# Altium PCB spd150.PcbDoc (part 12 of 15) (continued)
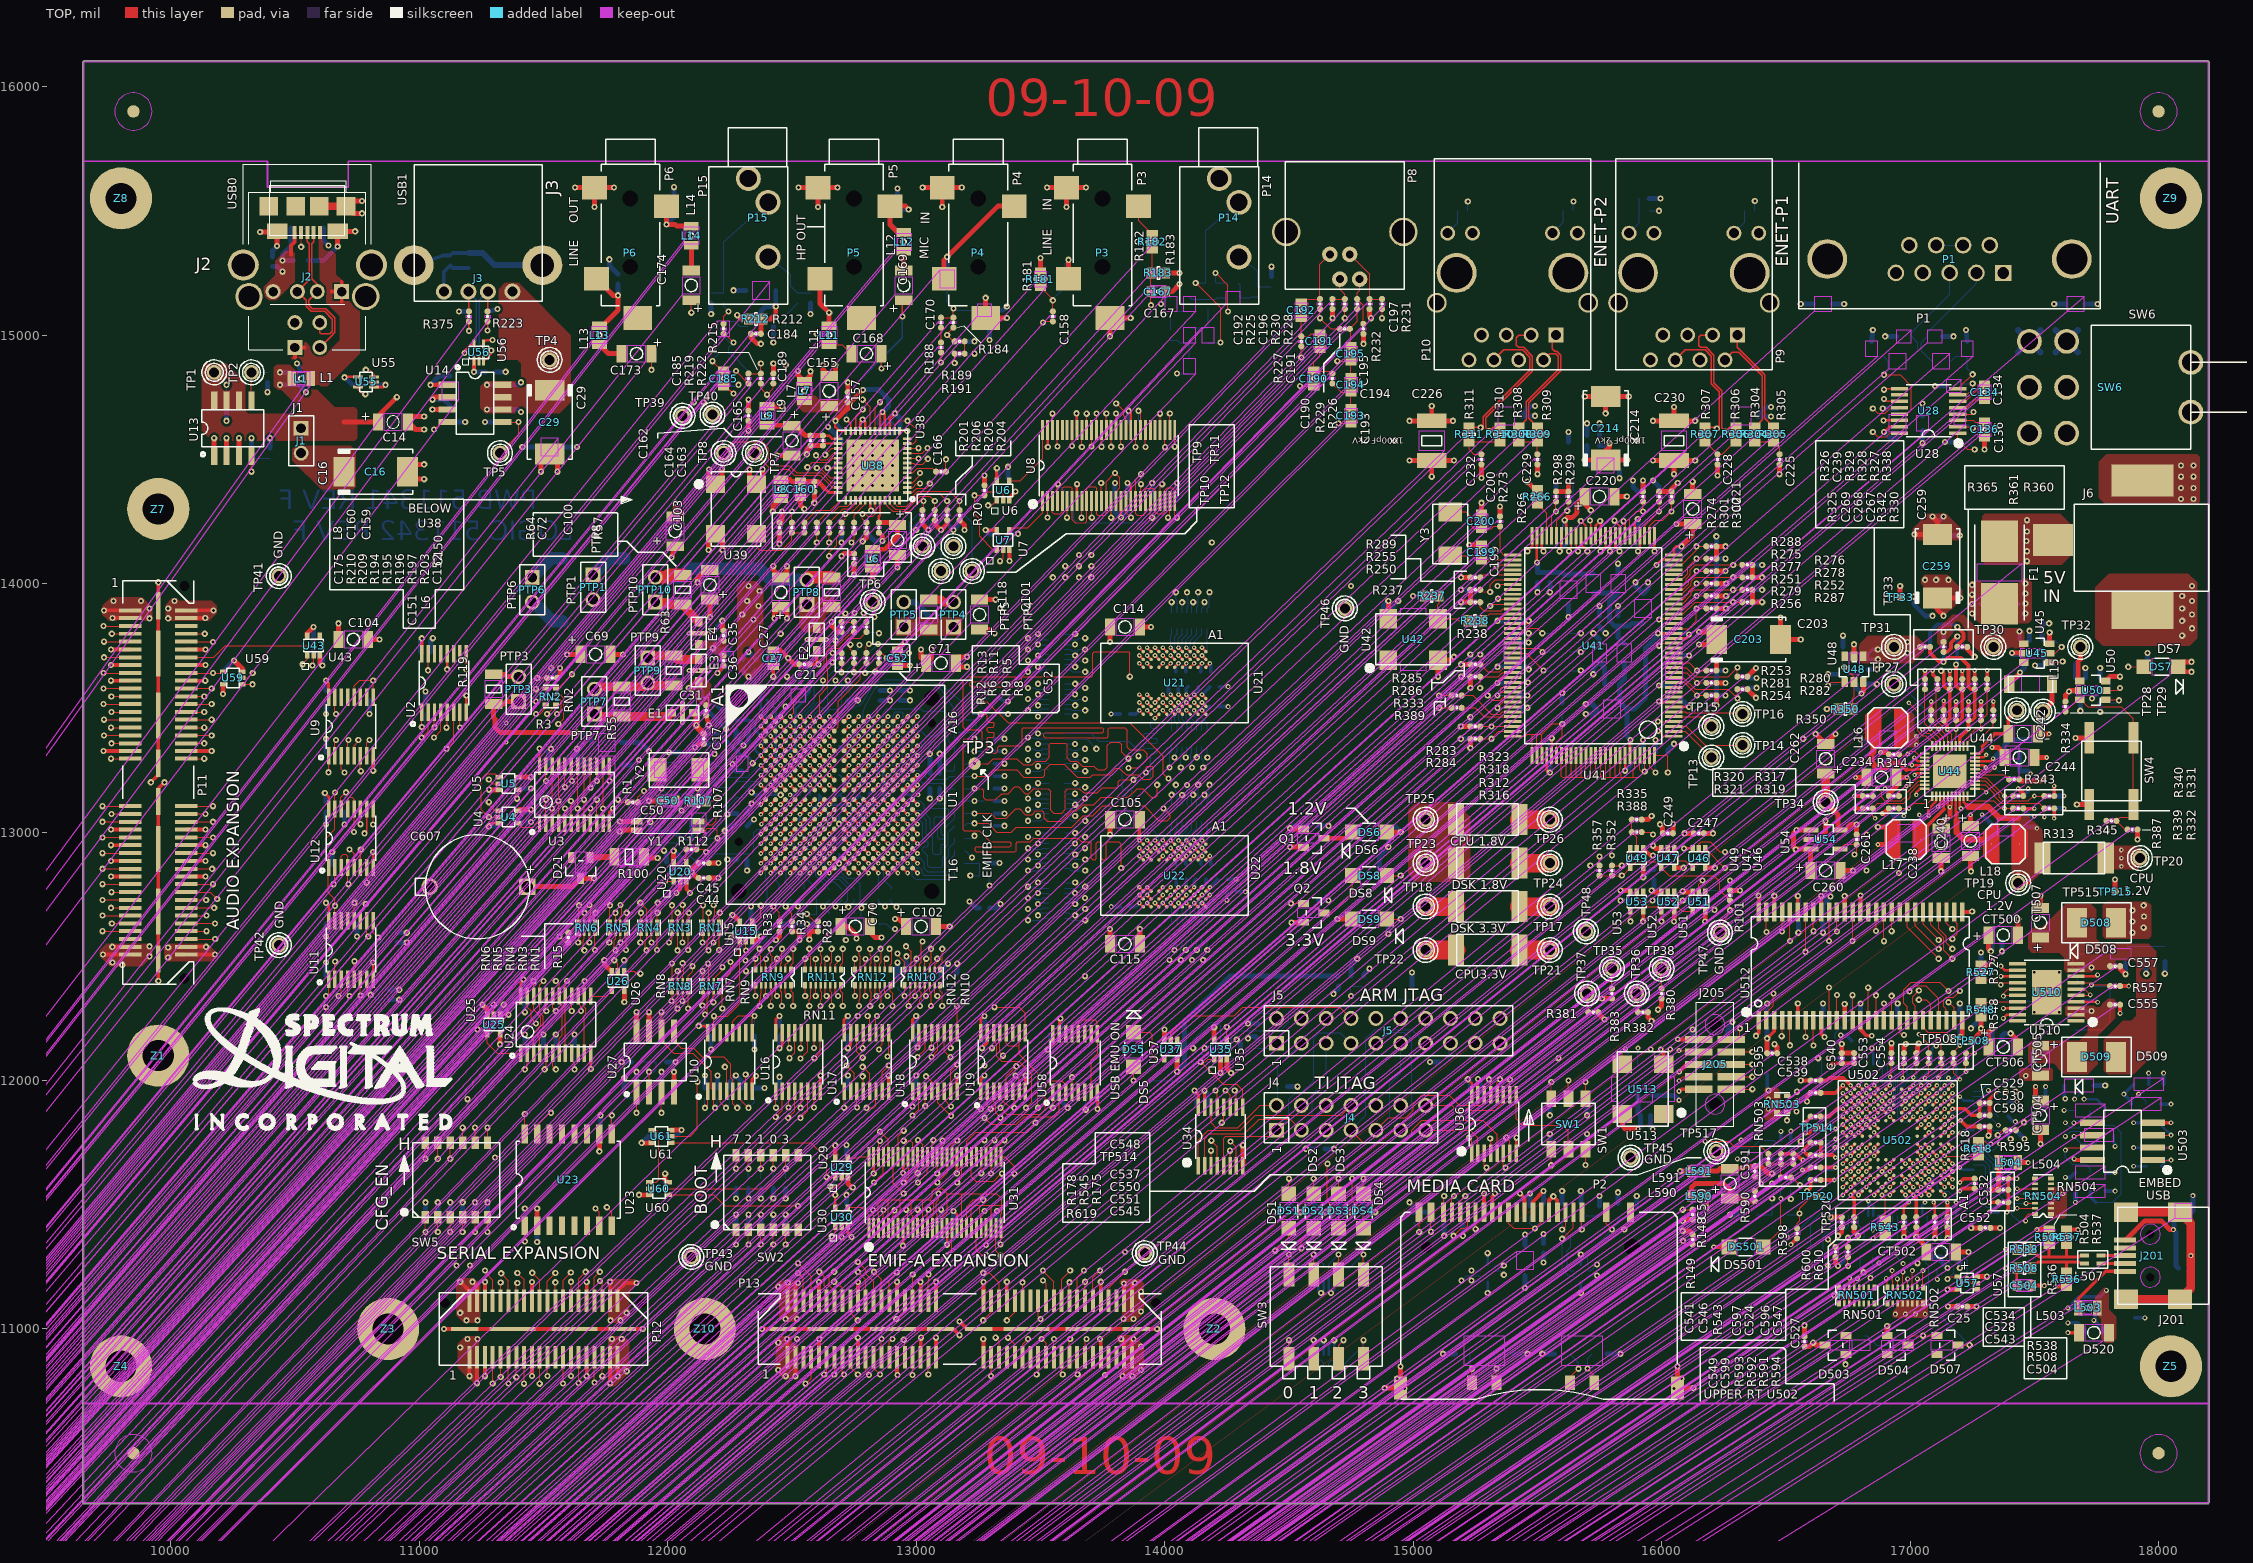
[diagram p0: TOP view]
## Nets (pads, with @x,y where several pads share a name; then routed paths per layer and width w, separated by ;. In a path a pad name is that pad's centre, name@x,y a point inside that pad or via, vN(x,y) a via of type N, cw(c..) or ccw(c..) an arc to the next point about the centre after c; other vN are vias at no path point) (continued)
T_AXR1[10]: P11.69 RN4.7 | length 2678.8
  TOP w5: v1(9725,12664) P11.69@9837,12664 ; v1(11934.8,12555.2) RN4.7@11934.8,12594.5
  LYR7-SIG w5: v1(9725,12664) 9775,12664 9885,12554 9885,12425 9950,12360 10525,12360 10610,12445 11670,12445 11685,12430 11842,12430 11897,12485 11903.8,12485 11934.6,12515.8 11934.6,12555 v1(11934.8,12555.2)
T_AXR1[11]: P11.71 RN4.8 | length 2621.1
  TOP w5: v1(9763,12632) P11.71@9837,12632 ; v1(11957.4,12525) RN4.8@11957.4,12594.5
  LYR7-SIG w5: v1(9763,12632) 9870,12525 9870,12420 9945,12345 10545,12345 10635,12435 11665,12435 11685,12415 11842,12415 11897,12470 11922.4,12470 11957.4,12505 v1(11957.4,12525)
T_EMU0: R609.2 U36.3 | length 1689.8
  TOP w5: U36.3@15286.6,11707.4 15286.6,11657.4 v1(15295,11649)
  LYR3-SIG w5: v1(15295,11649) 15346,11700 15620,11700 15692.5,11627.5 16007.5,11627.5 16380,11255 v1(16670,11255)
  BOTTOM w5: v1(16670,11255) 16670,11260 R609.2@16700,11290
T_EMU1: R610.2 U36.10 | length 1840.6
  TOP w5: U36.10@15389,11942.6 v1(15389,12004) ; v1(16750,11253) R610.2@16750,11290
  LYR3-SIG w5: v1(15389,12004) 15410,12025 15630,12025 15720,11935 15720,11845 15825,11740 16075,11740 16535,11280 16723,11280 v1(16750,11253)
T_SPI1_ENAN: RN8.6 U12.9 | length 1777.8
  TOP w5: v1(10814.6,13030.4) U12.9@10814.6,13092.6 ; v1(12039.6,12289.1) 12035,12293.7 12035,12330 12040.2,12335.2 RN8.6@12040.2,12359.5
  LYR8-SIG w5: v1(10814.6,13030.4) 10845,13000 10845,12850 11245,12450 11915,12450 12039.6,12325.4 v1(12039.6,12289.1)
T_SPI1_SCSN: R39.1 U12.7 | length 2437.3
  TOP w5: v1(10789,12796) U12.7@10789,12857.4
  LYR8-SIG w5: v1(10789,12796) 10815,12770 10815,12566.7 10951.7,12430 11680,12430 11855,12255 12075.7,12255 12102.4,12281.7 12102.4,12310.8 12166.6,12375 12210,12375 12283,12448 12283,12533.5 12369.5,12620 12453.4,12620 12520,12686.6 12520,12695 v1(12525,12700)
  BOTTOM w5: v1(12525,12700) 12550,12725 R39.1@12550,12730
T_TCK: R604.2 U34.10 | length 3261.8
  TOP w5: v1(14282,11960) 14289,11953 U34.10@14289,11892.6
  LYR3-SIG w5: v1(14282,11960) 14282,11912.2 14434.2,11760 15130,11760 15265,11625 15570,11625 15607.5,11587.5 15887.5,11587.5 16055,11420 16055,11353 16185,11223 16768,11223 16793,11248 16897,11248 16930,11281 17014,11281 v1(17030,11265)
  BOTTOM w5: R604.2@17000,11290 17025,11265 v1(17030,11265)
T_TCK_RET: R525.1 R599.1 TP517.1 U36.13 U511.88 | length 1863
  TOP w5: v1(15305,12005) 15312.2,11997.8 U36.13@15312.2,11942.6
  LYR3-SIG w4: 16645,11760.3 16695.3,11760.3 v2(16700,11765)
  LYR3-SIG w5: v1(15305,12005) 15345,12045 15675,12045 15745.2,11974.8 15745.2,11857.9 15833.1,11770 16100,11770 16155,11715 TP517.1@16220,11715 ; v1(16560,11755) 16565.3,11760.3 16645,11760.3
  BOTTOM w5: TP517.1@16220,11715 16235,11730 16365,11730 R599.1@16395,11760 16451.7,11760 16471.7,11740 16505,11740 16530,11715 R525.1@16530,11685 16550,11705 16550,11745 v1(16560,11755) ; U511.88@16645,11760 16695,11760 v2(16700,11765)
T_TDI: R607.2 U34.3 | length 3159.2
  TOP w5: U34.3@14186.6,11657.4 v1(14186.6,11717.4)
  LYR3-SIG w5: v1(14186.6,11717.4) 14214,11690 15020,11690 15115,11595 15310,11595 15450,11455 15850,11455 16150,11155 16820,11155 16928,11263 v3(16972,11263)
  BOTTOM w5: R607.2@16950,11290 16950,11285 v3(16972,11263)
T_TDO: R608.2 U36.6 | length 1811.6
  TOP w5: U36.6@15363.4,11707.4 15363.4,11657.6 v1(15372,11649)
  LYR3-SIG w5: v1(15372,11649) 15403,11680 15610,11680 15685,11605 15998,11605 16370,11233 16762.4,11233 16795.4,11266 v3(16875,11266)
  BOTTOM w5: v3(16875,11266) 16899,11290 R608.2@16900,11290
T_TMS: R606.2 U34.6 | length 2971.7
  TOP w5: U34.6@14263.4,11657.4 v1(14263.4,11717.4)
  LYR3-SIG w5: v1(14263.4,11717.4) 14275.8,11705 15045,11705 15145,11605 15335,11605 15460,11480 15865,11480 16180,11165 16801,11165 v1(16841,11205)
  BOTTOM w5: v1(16841,11205) 16850,11214 R606.2@16850,11290
T_TRSTN: R605.2 U34.13 | length 3106.7
  TOP w5: v1(14205,11960) 14212.2,11952.8 U34.13@14212.2,11892.6
  LYR3-SIG w5: v1(14205,11960) 14415,11750 15045,11750 15180,11615 15435,11615 15545,11505 15875,11505 16205,11175 16785,11175 16812,11202 v1(16812,11228)
  BOTTOM w5: R605.2@16800,11290 16800,11240 v1(16812,11228)
TCK5509: J205.9 RN503.7 U502.J13 | length 607.8
  TOP w5: J205.9@16280,11965 v1(16365,11965) ; RN503.7@16505.5,11914.8 16544.8,11914.8 v1(16545,11915)
  TOP w10: v2(16760.9,11823) U502.J13@16776.7,11807.3
  LYR3-SIG w4: 16645,11839 16736,11839 16752,11823 v2(16760.9,11823)
  LYR3-SIG w5: v1(16545,11915) 16621,11839 16645,11839
  LYR7-SIG w5: v1(16365,11965) 16422.5,11907.5 16537.5,11907.5 v1(16545,11915)
TDI5509: J205.5 U502.K14 | length 558.9
  TOP w5: J205.5@16280,12065 v1(16365,12065)
  TOP w10: v2(16729.4,11854.5) U502.K14@16745.2,11838.8
  LYR7-SIG w4: 16645,11910 16700.5,11854.5 v2(16729.4,11854.5)
  LYR7-SIG w5: v1(16365,12065) 16395,12065 16485,11975 16580,11975 16645,11910
TDO5509: J205.7 U502.K13 | length 586.5
  TOP w5: J205.7@16280,12015 v1(16365,12015)
  TOP w10: v2(16760.9,11854.5) U502.K13@16776.7,11838.8
  LYR7-SIG w4: 16645,11880 16686,11839 16745.4,11839 v2(16760.9,11854.5)
  LYR7-SIG w5: v1(16365,12015) 16399.8,12015 16434.8,11980 16438.3,11980 16450,11968.3 16450,11964.8 16479.8,11935 16593.3,11935 16645,11883.3 16645,11880
TMS5509: J205.3 U502.J14 | length 720.4
  TOP w5: J205.3@16280,12115 v1(16365,12115)
  TOP w10: v2(16729.4,11823) U502.J14@16745.2,11807.3
  LYR7-SIG w4: 16645,11823 v2(16729.4,11823)
  LYR7-SIG w5: v1(16365,12115) 16345,12095 16345,11945.2 16422.7,11867.5 16522.2,11867.5 16539.7,11850 16580.3,11850 16607.3,11823 16645,11823
TRST5509: J205.1 R552.2 U502.J12 | length 800
  TOP w5: J205.1@16280,12165 16305,12165 16315,12175 v1(16315,12210)
  TOP w10: v2(16792.4,11823) U502.J12@16808.2,11807.3
  LYR7-SIG w4: 16645,11955 16645,11948.4 16722.9,11870.5 16766.9,11870.5 16776.4,11861 16776.4,11843.6 16792.4,11827.6 v2(16792.4,11823)
  LYR7-SIG w5: v1(16315,12210) 16490,12035 16565,12035 16645,11955
  BOTTOM w5: R552.2@16305,12165 16305,12200 v1(16315,12210)
TXM1: P9.2 R304.1 U41.49 | length 1480.5
  TOP w5.2: v1(15755,14130) 15774.3,14149.3 U41.49@15774.3,14192 ; P9.2@16255,14900 16285,14930 16309.8,14930 16404.2,14835.6 16404.2,14659.2 R304.1@16375,14630 16384,14630 v1(16414,14600)
  LYR4-SIG w5.2: v1(15755,14130) 15768.5,14143.5 15768.5,14172.7 15786.3,14190.5 16079.9,14190.5 16445,14555.6 16445,14569 v1(16414,14600)
TXM2: P10.2 R308.1 U41.55 | length 1240.3
  TOP w5.2: v1(15463,14602) 15435,14630 R308.1@15425,14630 15455,14660 15455,14731.6 15584,14860.6 15584,14915 15574,14925 15550,14925 P10.2@15525,14900 ; U41.55@15656,14192 15656,14138 v1(15664,14130)
  LYR4-SIG w5.2: v1(15463,14602) 15487,14602 15494,14595 15494,14481.8 15535.2,14440.6 15535.2,14220 15550.9,14204.3 15550.9,14100.2 15568.3,14082.8 15632,14082.8 15650,14100.8 15650,14116 v1(15664,14130)
TXP1: P9.1 R305.1 U41.48 | length 1480.5
  TOP w5.2: v1(15792,14130) 15794,14132 U41.48@15794,14192 ; P9.1@16305,15000 16305,14950.6 16413.3,14842.3 16413.3,14840.7 16414.2,14839.8 16414.2,14665.8 R305.1@16450,14630 16455,14630 v1(16485,14600)
  LYR4-SIG w5.2: v1(15792,14130) 15778.5,14143.5 15778.5,14168.5 15790.5,14180.5 16084.1,14180.5 16455,14551.4 16455,14570 v1(16485,14600)
TXP2: P10.1 R309.1 U41.56 | length 1242.9
  TOP w5.2: v1(15535,14600) 15505,14630 R309.1@15500,14630 15465,14665 15465,14727.4 15594,14856.4 15594,14919.2 15578.2,14935 15570,14935 15560,14945 15560,14985 P10.1@15575,15000 ; v1(15627,14130) 15636.3,14139.3 U41.56@15636.3,14192
  LYR4-SIG w5.2: v1(15535,14600) 15509,14600 15504,14595 15504,14486 15545.2,14444.8 15545.2,14224.2 15560.9,14208.5 15560.9,14104.4 15572.5,14092.8 15627.8,14092.8 15640,14105 15640,14117 v1(15627,14130)
UART0_RXD_I2C0_SDA: R26.2 R32.2 R34.2 U10.7 | length 960.4
  TOP w5: U10.7@12314,11957.4 v1(12314,12024) ; v1(12475,12700) 12495,12680 12495,12675 12500,12670 R34.2@12500,12640
  LYR4-SIG w5: v1(12314,12024) 12315,12025 12315,12345 12420,12450 12420,12500 12436,12516 12436,12537 12475,12576 v1(12475,12700)
  BOTTOM w5: R26.2@12500,12670 12475,12695 v1(12475,12700) 12475,12705 R32.2@12500,12730
UART0_TXD_I2C0_SCL: R25.2 R31.2 R33.2 U10.4 | length 977.4
  TOP w5: v1(12230,12055) 12237.2,12047.8 U10.4@12237.2,11957.4 ; v1(12425,12700) 12450,12675 R33.2@12450,12640
  LYR4-SIG w5: v1(12230,12055) 12285,12110 12285,12360 12375,12450 12375,12500 12395,12520 12395,12565 12425,12595 v1(12425,12700)
  BOTTOM w5: R25.2@12450,12670 12450,12675 v1(12425,12700) 12450,12725 R31.2@12450,12730
UART2_RXD: U12.10 U28.9 | length 7754.5
  TOP w5.2: v1(10780,12995) 10789,13004 U12.10@10789,13092.6 ; v1(16895,14780) 16899.6,14784.6 U28.9@16957.4,14784.6
  LYR7-SIG w5.2: v1(10780,12995) 10800,12975 10885.8,12975 11212.9,13302.1 11212.9,13422.9 11145,13490.8 11145,14113.4 11308.7,14277.1 11857.9,14277.1 11970,14165 12152.3,14165 12152.4,14165.1 12177.6,14165.1 12177.7,14165 12207.3,14165 12207.4,14165.1 12232.6,14165.1 12232.7,14165 12308,14165 12335.7,14137.3 12493.7,14137.3 12498.4,14142 12943,14142 12980,14105 13251.6,14105 13306.6,14160 13455.8,14160 13650.8,14355 15260.8,14355 15437.9,14532.1 16497.8,14532.1 16735.6,14769.9 16884.9,14769.9 v1(16895,14780)
UART2_TXD: U12.6 U28.11 | length 7752.5
  TOP w5.2: U12.6@10763.4,12857.4 10763.4,12928.4 v1(10765,12930) ; v1(16895,14743) 16904.6,14733.4 U28.11@16957.4,14733.4
  LYR7-SIG w5.2: v1(10765,12930) 10800,12965 10890,12965 11222.9,13297.9 11222.9,13427.1 11155,13495 11155,14109.2 11312.9,14267.1 11853.7,14267.1 11965.8,14155 12156.5,14155 12156.6,14155.1 12173.4,14155.1 12173.5,14155 12211.5,14155 12211.6,14155.1 12228.4,14155.1 12228.5,14155 12303.8,14155 12331.5,14127.3 12497.9,14127.3 12502.6,14132 12938.8,14132 12975.8,14095 13255.8,14095 13310.8,14150 13460,14150 13655,14345 15265,14345 15442.1,14522.1 16502,14522.1 16739.8,14759.9 16875.1,14759.9 16892,14743 v1(16895,14743)
USB0_DM: J2.2A J2.2AB J2.2B U1.G4 U55.5 | length 3795.9
  TOP w5: U55.5@10754.4,14791.9 10754.4,14780.6 10773,14762 v1(10783,14762)
  TOP w6: J2.2AB@10575.5,15412.5 10575.5,15375.5 10568,15368 10568,15227.5 10590,15205.5 J2.2A@10590,15175 10556,15141 10556,15120.4 10570.4,15106 10623.9,15106 10661,15068.9 10661,15010.4 10644.6,14994 10644,14994 J2.2B@10600,14950
  TOP w10: v2(12493.1,13228.8) U1.G4@12512.8,13209.1
  LYR8-SIG w6: J2.2B@10600,14950 10645,14995 10674.4,14995 10724,14945.4 10724,14815.8 10734.8,14805 10765,14805 10775,14795 10775,14770 v1(10783,14762) 10795,14774 10795,14800 10800.4,14805.4 10823.7,14805.4 10828.7,14800.4 10828.7,14420.7 11450.4,13799 11911,13799 11989,13721 11989,13615.4 12139.4,13465 12159,13465 12194,13430 12194,13380.4 12293.5,13280.9 12293.5,13251.5 12320,13225 12345,13225 12360,13210 12474.3,13210 v2(12493.1,13228.8)
USB0_DP: J2.3A J2.3AB J2.3B U1.F4 U55.3 | length 3815.8
  TOP w5: v1(10785,14860) 10800,14860 10818.4,14841.6 U55.3@10818.4,14831.3
  TOP w6: J2.3AB@10550,15412.5 10550,15375 10557,15368 10557,15222 J2.3A@10510,15175 10545,15140 10545,15115.8 10565.8,15095 10619.3,15095 10650,15064.3 10650,15015 10640,15005 10605,15005 10600,15010 J2.3B@10600,15050
  TOP w10: v2(12493.1,13268.2) U1.F4@12512.8,13248.5
  LYR8-SIG w6: J2.3B@10600,15050 10644,15006 10679,15006 10735,14950 10735,14820.4 10739.4,14816 10761,14816 10775,14830 10775,14855 10780,14860 v1(10785,14860) 10795,14850 10795,14823 10801.6,14816.4 10828.3,14816.4 10839.7,14805 10839.7,14425.3 11455,13810 11915.6,13810 12000,13725.6 12000,13620 12144,13476 12163.6,13476 12205,13434.6 12205,13385 12304.5,13285.5 12304.5,13256.1 12324.6,13236 12346,13236 12360,13250 12474.9,13250 v2(12493.1,13268.2)
USB1_SH: C271.2 J3.5 J3.6 R392.2 | length 547.7
  BOTTOM w15: J3.6@10978.5,15281.7 11095,15320 C271.2@11125,15320 11135,15330 R392.2@11200,15330
  BOTTOM w25: R392.2@11200,15330 11255,15330 11303.3,15281.7 J3.5@11495.9,15281.7
USB_1.6V: C524.1 C527.1 C529.1 C530.1 C532.1 C543.1 C544.1 C545.1 C546.1 C547.1 C548.1 C549.1 C556.1 CT504.1 CT506.1 D503.3 L590.2 R548.1 TP508.1 U502.A6 U502.A13 U502.A14 U502.B2 U502.B7 U502.B8 U502.B13 U502.C10 U502.C12 U502.G1 U502.J5 U502.J10 U502.J11 U502.L1 U502.L14 U502.M4 U502.M11 U502.N7 U502.N8 U510.18 U510.19 | length 1764.8
  TOP w5: v2(16970,12010) 16975,12015 C549.1@16975,12070
  TOP w10: v2(16729.4,11539.4) U502.A14@16745.2,11555.2 ; v2(16729.4,11886) 16745.1,11870.3 U502.L14@16745.2,11870.3 ; v2(16760.9,11539.4) U502.A13@16776.7,11555.2 ; v2(16760.9,11570.9) U502.B13@16776.7,11586.7 ; v2(16792.4,11602.4) U502.C12@16808.2,11618.2 ; v2(16823.9,11823) U502.J11@16839.7,11807.3 ; v2(16823.9,11917.5) U502.M11@16839.7,11901.8 ; v2(16855.4,11602.4) U502.C10@16871.2,11618.2 ; v2(16855.4,11823) U502.J10@16871.2,11807.3 ; v2(16918.4,11570.9) U502.B8@16934.2,11586.7 ; v2(16918.4,11917.5) U502.N8@16934.2,11933.3 ; U502.B7@16965.8,11586.7 v2(16981.5,11570.9) ; U502.N7@16965.8,11933.3 v2(16981.5,11949) ; U502.A6@16997.3,11555.2 16997.3,11555.1 v2(17013,11539.4) ; U502.J5@17028.8,11807.3 v2(17044.5,11823) ; U502.M4@17060.3,11901.8 v2(17076,11917.5) ; U502.B2@17123.3,11586.7 v2(17139,11570.9) ; U502.G1@17154.8,11744.2 v2(17170.5,11728.4) ; U502.L1@17154.8,11870.3 v2(17170.5,11886) ; v3(17375,12250) 17390.4,12265.4 U510.19@17432.4,12265.4 ; v3(17375,12290) 17376,12291 U510.18@17432.4,12291
  TOP w15: C545.1@16640,11600 v2(16695,11600) ; C548.1@16640,11855 16675,11855 16706,11886 v2(16729.4,11886) ; v2(16760.9,11539.4) 16775,11525.3 C546.1@16775,11450 ; v2(17013,11539.4) 17025,11527.4 C524.1@17025,11450 ; v2(17170.5,11886) 17221,11886 17247,11860 C530.1@17280,11860 C529.1@17280,11910 ; v2(17200,11590) 17215,11605 C532.1@17260,11605 ; v3(17320,11510) C543.1@17355,11510
  TOP w16: C547.1@17150,11450 v2(17150,11510)
  TOP w20: v1(16180,11488) L590.2@16180,11535 ; C527.1@16575,10930 16595,10930 v1(16610,10945) 16620,10935 D503.3@16658,10935 ; TP508.1@17250,12160 17285,12195 v1(17285,12210) R548.1@17285,12255 ; CT506.1@17315,12135 17315,12195 v1(17330,12210) ; v3(17505,11975) 17505,11940 CT504.1@17525,11920
  BOTTOM w15: C544.1@17505,11940 v3(17505,11975)
  BOTTOM w20: C556.1@17330,12160 v1(17330,12210)
USB_2.5V: C526.1 C592.1 C593.1 C594.1 CT500.1 D507.3 R527.1 TP514.1 U510.12 U510.13 U511.35 U511.57 U511.67 U511.90 | length 1372.3
  TOP w5: D507.3@17192,10935 v1(17240,10935)
  TOP w10: v3(17365,12419) U510.13@17432.4,12419 ; v3(17365,12460) 17380.4,12444.6 U510.12@17432.4,12444.6
  TOP w15: v3(16579,11788) 16593,11788 16615,11810 TP514.1@16625,11810
  TOP w20: R527.1@17285,12465 17315,12465 v1(17330,12480) ; CT500.1@17315,12585 17315,12530 v1(17325,12520)
  BOTTOM w5: U511.57@17068.2,11455 17068.2,11336.8 C594.1@17075,11330 17050,11305 17050,11280 17075,11255 17075,11100 v1(17240,10935) ; U511.35@17255,11819.1 17315.9,11819.1 17335,11800 C592.1@17385,11800
  BOTTOM w10: v3(16579,11788) 16588.6,11788 16600,11799.4 U511.90@16645,11799.4 ; v2(16850,11398) 16871.2,11419.2 U511.67@16871.2,11455
  BOTTOM w15: C593.1@16520,11760 v3(16520,11796)
  BOTTOM w18: C592.1@17385,11800 17385,11785 v1(17405,11765)
  BOTTOM w20: v1(17325,12520) 17330,12525 C526.1@17330,12560
USB_DM: J3.2 R223.2 U56.3 | length 417.4
  TOP w6: U56.3@11259.7,14898 11263,14898 11290,14925 v1(11290,14938) ; R223.2@11275,15095 11276.6,15096.6 J3.2@11276.6,15175
  BOTTOM w6: J3.2@11276.6,15175 11242.5,15140.9 11242.5,14966 11270.5,14938 v1(11290,14938)
USB_DP: J3.3 R375.2 U56.5 | length 419.8
  TOP w6: v1(11182,14928) 11182,14937 11207,14962 U56.5@11220.3,14962 ; J3.3@11197.8,15175 11200,15172.8 R375.2@11200,15095
  BOTTOM w6: v1(11182,14928) 11183,14928 11230.5,14975.5 11230.5,15142.3 J3.3@11197.8,15175
USB_POWERDET: R534.2 R535.1 U502.D1 | length 1030.5
  TOP w10: U502.D1@17154.8,11649.7 v2(17170.5,11633.9)
  LYR4-SIG w4: v2(17170.5,11633.9) 17255,11633.9
  LYR4-SIG w5: 17255,11633.9 17271.1,11633.9 17340,11565 17340,11470 17740,11070 v3(17740,11035)
  BOTTOM w15: R534.2@17745,11085 17745,11040 v3(17740,11035) 17770,11005 R535.1@17770,10985
USB_USBVDD: C528.1 C534.1 L504.2 U502.D2 | length 168
  TOP w10: U502.D2@17123.3,11649.7 v2(17139,11634)
  TOP w20: v3(17320,11560) C528.1@17355,11560 C534.1@17355,11605 17355,11625 17357,11627 L504.2@17357,11670
USBVIN: C531.1 D520.1 L503.2 R534.1 | length 191.3
  BOTTOM w15: v3(17635,11085) 17655,11090 17655,11105 17660,11110 17675,11125 17680,11130 17765,11130 v3(17790,11155)
USER_LED1: DS1.1 U18.2 | length 2343.7
  TOP w5: v1(12985,11859) 13011,11885 U18.2@13011,11957.4 ; v1(14445,11315) 14500,11370 DS1.1@14500,11406
  LYR3-SIG w5: v1(12985,11859) 12869,11859 12820,11810 12820,11740 12885,11675 12885,11565 12925,11525 13155,11525 13230,11450 13990,11450 14125,11315 v1(14445,11315)
USER_LED2: DS2.1 U18.5 | length 2543.4
  TOP w5: U18.5@13087.8,11957.4 13087.8,11910.2 v1(13140,11858) ; v1(14550,11325) 14550,11355 14600,11405 DS2.1@14600,11406
  LYR3-SIG w5: v1(13140,11858) 13121,11839 12869,11839 12835,11805 12835,11745 12900,11680 12900,11605 12936,11569 13173.3,11569 13174.3,11570 13895,11570 14125,11340 14535,11340 v1(14550,11325)
USER_LED3: DS3.1 U18.11 | length 2114.3
  TOP w5: U18.11@13113.4,12192.6 13113.4,12118.6 v1(13138,12094) ; v1(14655,11665) 14655,11515 14700,11470 DS3.1@14700,11406
  LYR3-SIG w5: v1(13138,12094) 13281,12094 13380,11995 13470,11995 13510,12035 13650,12035 13710,11975 13890,11975 14200,11665 v1(14655,11665)
USER_LED4: DS4.1 U18.14 | length 2281.3
  TOP w5: v1(13005,12095) 13036.6,12126.6 U18.14@13036.6,12192.6 ; v1(14755,11605) 14755,11515 14800,11470 DS4.1@14800,11406
  LYR3-SIG w5: v1(13005,12095) 13010,12095 13155,11950 13880,11950 14190,11640 14720,11640 v1(14755,11605)
USER_SW1: RN23.8 SW3.1 U16.2 | length 2867.3
  TOP w5: v1(12434.9,11853.4) 12461,11879.5 U16.2@12461,11957.4 ; SW3.1@14500,10880 v1(14500,10955)
  LYR3-SIG w5: v1(12434.9,11853.4) 12695,11593.3 12695,11475 12800,11370 13925,11370 14080,11215 14240,11215 v1(14500,10955)
  BOTTOM w5: v1(14500,10955) 14500,10935 14580.5,10854.5 RN23.8@14617.6,10854.5
USER_SW2: RN23.7 SW3.2 U16.5 | length 2836.8
  TOP w5: v1(12535,11890) 12537.8,11892.8 U16.5@12537.8,11957.4 ; SW3.2@14600,10880 v1(14600,10955)
  LYR3-SIG w5: v1(12535,11890) 12640,11785 12640,11720 12775,11585 12775,11460 12845,11390 13950,11390 14100,11240 14315,11240 v1(14600,10955)
  BOTTOM w5: v1(14600,10955) 14600,10886.3 14602.1,10884.2 14602.1,10879.8 14606.4,10875.5 14627.8,10875.5 14640.2,10863.1 RN23.7@14640.2,10854.5
USER_SW3: RN23.6 SW3.3 U16.11 | length 3203.7
  TOP w5: v1(12535,12089) 12563.4,12117.4 U16.11@12563.4,12192.6 ; SW3.3@14700,10880 14700,10935 v1(14720,10955)
  LYR3-SIG w5: v1(12535,12089) 12535,11979.2 12795,11719.2 12795,11470 12855,11410 13965,11410 14115,11260 14415,11260 v1(14720,10955)
  BOTTOM w5: RN23.6@14659.8,10854.5 14659.8,10864.8 14670,10875 14695,10875 14705,10885 14705,10940 v1(14720,10955)
USER_SW4: RN23.5 SW3.4 U16.14 | length 3308
  TOP w5: U16.14@12486.6,12192.6 12486.6,12133.4 v1(12490,12130) ; SW3.4@14800,10880 v1(14800,10955)
  LYR3-SIG w5: v1(12490,12130) 12510.5,12109.5 12550.5,12109.5 12565,12095 12565,11970 12850,11685 12850,11580.7 12848.4,11579.1 12848.4,11470.1 12888.5,11430 13980,11430 14125,11285 14440,11285 14715,11010 14745,11010 v1(14800,10955)
  BOTTOM w5: RN23.5@14682.4,10854.5 14719.5,10854.5 14800,10935 v1(14800,10955)
VCC_1V2: C241.1 L18.1 R313.1 R369.1 TP19.1 U44.9 | length 3620.3
  TOP w10: U44.9@17215.1,13144 17215.1,13120.9 17229,13107 ; 17435,12835 TP19.1@17435,12795 17475,12795
  TOP w20: 17229,13107 17234,13102
  TOP w25: 17234,13102 17314,13102 17359,13057 17434,13057
  LYR3-SIG w25: v1(14660,13025) 14870,13025 14950,12945 15075,12945 15235,12785 15650,12785 15755,12680 16115,12680 16160,12725 16320,12725 16360,12685 17180,12685 v2(17510,13015)
  BOTTOM w20: R369.1@14620,13025 v1(14660,13025) ; C241.1@17445,13020 17505,13020 v2(17510,13015)
VCC_1V8: C236.1 L8.2 L16.2 R318.1 R323.1 R371.1 TP23.1 TP25.1 U44.33 | length 4376.5
  TOP w10: v2(17017.1,13299.5) 17032.2,13284.4 U44.33@17059,13284.4
  TOP w20: v1(12423,14290) 12423,14310 L8.2@12455,14342
  LYR4-SIG w20: v1(12423,14290) 12423,14428 12581,14586 14259,14586 14830,14015 14830,13270 TP25.1@15050,13050
  LYR7-SIG w25: 15010,12875 TP23.1@15050,12875 ; 15010,13050 TP25.1@15050,13050 ; 15050,12835 TP23.1@15050,12875 ; 15050,12915 TP23.1@15050,12875 ; 15050,13010 TP25.1@15050,13050 ; 15050,13090 TP25.1@15050,13050 ; 15090,12875 TP23.1@15050,12875 ; 15090,13050 TP25.1@15050,13050
  BOTTOM w20: R371.1@14620,12725 v1(14660,12725)
  other v2: 17025,13351 17025,13385
VCC_3V3: C1.1 C9.1 C10.1 C11.1 C12.1 C40.1 C41.1 C42.1 C43.1 C237.1 C265.1 L17.1 R312.1 R316.1 R320.1 R374.1 TP17.1 TP21.1 U2.16 U9.16 U10.16 U11.16 U12.16 U16.16 U17.16 U18.16 U19.16 U44.2 U58.16 | length 2119
  TOP w10: v1(10620,13157) 10635.4,13141.6 U12.16@10635.4,13092.6 ; v1(10625,12715) 10635.4,12704.6 U11.16@10635.4,12642.6 ; v2(17074,13066) 17074,13093 17090.5,13109.5 17090.5,13109.7 17103.7,13122.9 17103.7,13127.8 17104.9,13129 U44.2@17104.9,13144
  TOP w12: v1(10625,13610) 10635.4,13599.6 U9.16@10635.4,13542.6 ; v1(12125,12220) 12150.4,12220 12160.4,12210 U10.16@12160.4,12192.6 ; U16.16@12435.4,12192.6 12435.4,12245.4 v1(12450,12260) ; U17.16@12710.4,12192.6 12710.4,12245.4 v1(12725,12260) ; U18.16@12985.4,12192.6 12985.4,12245.4 v1(13000,12260) ; U19.16@13260.4,12192.6 13260.4,12245.4 v1(13275,12260) ; v1(13530,12125) 13550.4,12145.4 U58.16@13550.4,12187.6
  TOP w15: U2.16@11010.4,13717.6 v1(11010.4,13779.6) ; v2(16775,13145) R320.1@16810,13145
  TOP w20: v2(16870,12950) 16907.5,12950 L17.1@16927.5,12970 16927.5,13005.5 16913,13020 v1(16870,13020)
  TOP w75: R316.1@15427.5,12525 TP21.1@15550,12525 ; R312.1@15427.5,12700 TP17.1@15550,12700
  LYR9-PLN w25: 15510,12525 TP21.1@15550,12525 ; 15510,12700 TP17.1@15550,12700 ; 15550,12485 TP21.1@15550,12525 ; 15550,12565 TP21.1@15550,12525 ; 15550,12660 TP17.1@15550,12700 ; 15550,12740 TP17.1@15550,12700 ; 15590,12525 TP21.1@15550,12525 ; 15590,12700 TP17.1@15550,12700
  BOTTOM w10: C11.1@10625,12670 v1(10625,12715)
  BOTTOM w20: v1(10620,13157) 10620,13154.9 10625,13149.9 C12.1@10625,13120 ; C9.1@10625,13570 v1(10625,13610) ; C1.1@11005,13725 11005,13774.2 v1(11010.4,13779.6) ; v1(12125,12220) C10.1@12175,12220 ; C40.1@12450,12220 v1(12450,12260) ; C41.1@12725,12220 v1(12725,12260) ; C42.1@13000,12220 v1(13000,12260) ; C43.1@13275,12220 v1(13275,12260) ; v1(13530,12125) 13540,12135 C265.1@13540,12185 ; v1(14900,12590) R374.1@14900,12630 ; v1(16870,13020) 16900,13020 C237.1@16925,12995
VCC_5V: C13.1 C28.1 C234.1 C238.1 C240.1 C244.1 C259.1 C263.1 C264.1 D508.2 P11.1 P11.2 P11.3 P11.4 P11.77 P11.78 P11.79 P11.80 P12.1 P12.2 P12.3 P12.4 P12.37 P12.38 P12.39 P12.40 P13.1 P13.2 P13.3 P13.4 P13.77 P13.78 P13.79 P13.80 R212.2 R314.1 R317.1 R319.1 R330.2 R331.1 R332.1 R338.1 R339.1 R340.1 R367.2 R368.1 R370.2 R387.1 SW6.2 SW6.5 TP33.1 TP515.1 U13.2 U13.3 U14.2 U14.3 U44.5 U44.6 U44.19 U44.36 U55.1 U56.1 | length 4731.5
  TOP w10: v2(17018.3,13230) 17021.3,13230 17028.4,13237.1 U44.36@17059,13237.1 ; U44.5@17152.1,13144 17152.1,13107.9 v2(17160,13100) 17167.9,13107.9 U44.6@17167.9,13144 ; U44.19@17261,13300.1 17295.9,13300.1 v2(17306.5,13310.7)
  TOP w12: U55.1@10818.4,14791.9 10856.9,14791.9 v1(10865,14800) ; P12.38@11768,11113 v1(11768,11190)
  TOP w15: v1(9727,12507) P11.79@9837,12507 ; v1(9732,13892) P11.1@9837,13892 ; v1(9765,12538) P11.77@9837,12538 ; v1(9766,13861) P11.3@9837,13861 ; P11.80@10063,12507 v1(10178,12507) ; P11.78@10063,12538 v1(10143,12538) ; P11.4@10063,13861 v1(10139,13861) ; P11.2@10063,13892 v1(10172,13892) ; v1(11165,11190) 11202,11153 P12.2@11202,11113 ; v1(11202,10810) P12.1@11202,10887 ; v1(11215,11190) 11233,11172 P12.4@11233,11113 ; v1(11220.3,14852) U56.1@11220.3,14898 ; v1(11233,10782) P12.3@11233,10887 ; v1(11768,10782) P12.37@11768,10887 ; v1(11799,10810) P12.39@11799,10887 ; P12.40@11799,11113 11799,11154 11830,11185 v1(11875,11185) ; v1(12480,10960) 12483,10957 P13.1@12483,10887 ; P13.2@12483,11113 v1(12483,11187) ; v1(12514,10810) P13.3@12514,10887 ; P13.4@12514,11113 12514,11174 v1(12525,11185) ; R338.1@17310,13615 v2(17310,13650) ; R330.2@17335,13490 v2(17335,13525) ; R339.1@17455,13095 17456,13094 v2(17500,13094) ; v2(17580,13055) R332.1@17580,13095 ; R331.1@17580,13145 v2(17580,13185)
  TOP w16: v1(13825,10960) 13837,10948 P13.77@13837,10887 ; P13.78@13837,11113 v1(13837,11183) ; P13.79@13868,10887 13868,10953 v1(13875,10960) ; P13.80@13868,11113 13868,11173 v1(13880,11185)
  TOP w18: v2(17435,13175) 17455,13155 R340.1@17455,13145
  TOP w20: U13.2@10225,14515 v1(10225,14585) ; U13.3@10275,14515 v1(10275,14585) ; v1(11053,14700) U14.3@11115,14700 ; v1(11054,14740) 11064,14750 U14.2@11115,14750 ; v1(12280,15080) 12295,15065 R212.2@12325,15065 ; v2(16881,13321) 16906,13321 R314.1@16915,13312 ; v2(16887.8,13074.6) 16894.6,13074.6 R319.1@16915,13095 ; R317.1@16915,13145 16915,13155.1 16945,13185.1 C234.1@16945,13220 v2(16988,13220) ; TP33.1@16960,13945 v1(16960,13990) ; C238.1@17125,13015 17125,13030 17160,13065 v2(17160,13100) ; v1(17135,13870) 17110,13895 C259.1@17110,13942 v1(17203,13942) ; C240.1@17243,13024 v2(17243,13069) ; v2(17330,13340) 17355,13340 17380,13315 C244.1@17380,13300 ; TP515.1@17825,12760 v1(17825,12808.5) ; v1(17915,12970) R387.1@17915,13010
  LYR9-PLN w25: 17435.6,14745.6 SW6.5@17480,14790 ; 17435.6,14834.4 SW6.5@17480,14790 ; 17524.4,14745.6 SW6.5@17480,14790 ; 17524.4,14834.4 SW6.5@17480,14790 ; 17585.6,14745.6 SW6.2@17630,14790 ; 17585.6,14834.4 SW6.2@17630,14790 ; 17674.4,14745.6 SW6.2@17630,14790 ; 17674.4,14834.4 SW6.2@17630,14790
  BOTTOM w20: C264.1@10820,14800 v1(10865,14800) ; v1(11053,14700) 11110,14700 C28.1@11125,14715 11100,14740 v1(11054,14740) ; v1(11220.3,14852) C263.1@11267.3,14852 ; C13.1@11585,14550 v1(11635,14550) ; R370.2@14900,12805 14880,12805 14865,12820 14865,12905 v1(14900,12940) R367.2@14900,12980 ; R368.1@17955,13665 v1(17955,13720)
  other v1: 12475,10810 13830,10810 13870,10810 11835,10830 12445,10835 13905,10835 11165,10925 13905,10930 12445,10945 11195,10960 11235,10960 11775,10960 11815,10960 11190,11035 11235,11035 11770,11035 11810,11035 12475,11040 12520,11040 13835,11040 13875,11040 11165,11065 11835,11065 13905,11070 13905,11150 12445,11170 9805,12465 9765,12475 9990,12495 9915,12500 9990,12535 9915,12540 17895,12595 17940,12615 17895,12640 17941,12660 17895,12685 17940,12705 9915,13860 9990,13860 9915,13900 9990,13900 9770,13930 9880,13930 10015,13930 17060,14015 17105,14015 17155,14015
VLDO2: C243.1 C260.1 L15.2 TP29.1 U44.18 U54.1 U54.3 | length 1013.2
  TOP w10: U44.18@17261,13284.4 17323.8,13284.4 v2(17334.6,13295.2)
  TOP w20: C260.1@16600,12845 16600,12931.6 U54.3@16601,12932.6 16542.6,12932.6 v1(16540,12930) 16530,12940 16530,12995 v1(16542.4,13007.4) U54.1@16601,13007.4 ; TP29.1@17535,13485 17571,13521 L15.2@17571,13595
  LYR3-SIG w20: 17504.7,13454.7 TP29.1@17535,13485 ; 17504.7,13515.3 TP29.1@17535,13485 ; 17565.3,13454.7 TP29.1@17535,13485 ; 17565.3,13515.3 TP29.1@17535,13485
  BOTTOM w20: v2(17334.6,13295.2) 17359.4,13320 C243.1@17380,13320 17380,13350 17400,13370 17500,13370 17535,13405 TP29.1@17535,13485
VREG_RSN: R550.2 R557.2 R620.2 TP516.1 U510.7 | length 2788.5
  TOP w5: U510.7@17667.6,12393.4 17721.6,12393.4 v3(17730,12385) 17800,12385 R557.2@17805,12380
  LYR4-SIG w5: v1(16445,11585) 16415,11615 16415,11680 16500,11765 16500,11805 16485,11820 16485,11970 16580,12065 16580,12145 16615,12180 16615,12355 16825,12565 16825,12595 16860,12630 17485,12630 v3(17730,12385)
  BOTTOM w5: v1(16445,11585) 16470,11610 R620.2@16480,11610 ; TP516.1@17665,12205 17775,12205 17805,12235 R550.2@17805,12380 17735,12380 v3(17730,12385)
VRTC: C245.1 U44.16 | length 136.4
  TOP w5: U44.16@17261,13252.9 17285,13252.9 17294.9,13243 17323,13243 v2(17340,13260)
  BOTTOM w5: v2(17340,13260) 17355,13245 C245.1@17380,13245
WPN_NC: JP510.2 U503.3 | length 140.1
  TOP w5: U503.3@17976.5,11780 v3(18050,11780)
  BOTTOM w10: JP510.2@18010,11830 18010,11820 v3(18050,11780)
XEVNT0: R600.1 R609.1 U511.73 | length 242.4
  TOP w5: v1(16670,11360) R600.1@16700,11330
  BOTTOM w5: R609.1@16700,11330 v1(16670,11360) 16670,11380 16690,11400 16738,11400 16753,11415 U511.73@16753,11455

## Text inside footprints (layer, text, board x,y; h text height)
C194: PIN_NUMBER "2" at 14744,14835 h20 r90; PIN_NUMBER "1" at 14744,14775 h20 r90; ASSEMBLY_TOP "X" at 14760,14850 h40 r90; ASSEMBLY_TOP "X" at 14765,14815 h40 r90; ASSEMBLY_TOP "0.22uF" at 14765,14780 h40 r90; SYMB_DIM "0" at 14770,14660 h40 r90; SYMB_DIM "0" at 14885,14780 h40 r90; SYMB_DIM "C603-35X45" at 14600,14650 h40 r90; SYMB_DIM "SP  35X45OV" at 15095,14640 h40 r90; SYMB_DIM "SM  43X53OV" at 15025,14640 h40 r90; SYMB_DIM "PAD 35X45OV" at 14950,14640 h40 r90
C195: PIN_NUMBER "1" at 14744,14900 h20 r90; PIN_NUMBER "2" at 14744,14960 h20 r90; ASSEMBLY_TOP "X" at 14760,14975 h40 r90; ASSEMBLY_TOP "X" at 14765,14940 h40 r90; ASSEMBLY_TOP "0.47uF" at 14765,14905 h40 r90; SYMB_DIM "0" at 14770,14785 h40 r90; SYMB_DIM "0" at 14885,14905 h40 r90; SYMB_DIM "C603-35X45" at 14600,14775 h40 r90; SYMB_DIM "SP  35X45OV" at 15095,14765 h40 r90; SYMB_DIM "SM  43X53OV" at 15025,14765 h40 r90; SYMB_DIM "PAD 35X45OV" at 14950,14765 h40 r90
C196: PIN_NUMBER "2" at 14667,15105 h20 r270; PIN_NUMBER "1" at 14667,15145 h20 r270; ASSEMBLY_TOP "USERPART#" at 14525,15125 h25 r270; ASSEMBLY_TOP "TOLERANCE" at 14575,15125 h25 r270; ASSEMBLY_TOP "0.01uF" at 14675,15125 h25 r270; SYMBOL_PART_DIM "0" at 14662,15217 h25 r270; SYMBOL_PART_DIM "0" at 14591,15133 h25 r270; SYMBOL_PART_DIM "C402-35X32" at 14537,15248 h25 r270; SYMBOL_PART_DIM "PAD 35X32 OV" at 14487,15248 h25 r270
C197: PIN_NUMBER "2" at 14817,15105 h20 r270; PIN_NUMBER "1" at 14817,15145 h20 r270; ASSEMBLY_TOP "USERPART#" at 14675,15125 h25 r270; ASSEMBLY_TOP "TOLERANCE" at 14725,15125 h25 r270; ASSEMBLY_TOP "0.01uF" at 14825,15125 h25 r270; SYMBOL_PART_DIM "0" at 14812,15217 h25 r270; SYMBOL_PART_DIM "0" at 14741,15133 h25 r270; SYMBOL_PART_DIM "C402-35X32" at 14687,15248 h25 r270; SYMBOL_PART_DIM "PAD 35X32 OV" at 14637,15248 h25 r270
C198: PIN_NUMBER "2" at 14912,13875 h20 r180; PIN_NUMBER "1" at 14872,13875 h20 r180; ASSEMBLY_BOTTOM "USERPART#" at 14900,14025 h25 r180; ASSEMBLY_BOTTOM "TOLERANCE" at 14900,13975 h25 r180; ASSEMBLY_BOTTOM "0.01uF" at 14900,13875 h25 r180; SYMBOL_PART_DIM "0" at 14808,13888 h25 r180; SYMBOL_PART_DIM "0" at 14892,13959 h25 r180; SYMBOL_PART_DIM "C402-35X32" at 14777,14013 h25 r180; SYMBOL_PART_DIM "PAD 35X32 OV" at 14777,14063 h25 r180
C199: PIN_NUMBER "1" at 15249,14150 h20 r270; PIN_NUMBER "2" at 15249,14090 h20 r270; ASSEMBLY_TOP "X" at 15265,14075 h40 r270; ASSEMBLY_TOP "X" at 15260,14110 h40 r270; ASSEMBLY_TOP "NO-POP" at 15260,14145 h40 r270; SYMB_DIM "0" at 15255,14265 h40 r270; SYMB_DIM "0" at 15140,14145 h40 r270; SYMB_DIM "C603-35X45" at 15425,14275 h40 r270; SYMB_DIM "SP  35X45OV" at 14930,14285 h40 r270; SYMB_DIM "SM  43X53OV" at 15000,14285 h40 r270; SYMB_DIM "PAD 35X45OV" at 15075,14285 h40 r270
C200: PIN_NUMBER "1" at 15249,14275 h20 r270; PIN_NUMBER "2" at 15249,14215 h20 r270; ASSEMBLY_TOP "X" at 15265,14200 h40 r270; ASSEMBLY_TOP "X" at 15260,14235 h40 r270; ASSEMBLY_TOP "NO-POP" at 15260,14270 h40 r270; SYMB_DIM "0" at 15255,14390 h40 r270; SYMB_DIM "0" at 15140,14270 h40 r270; SYMB_DIM "C603-35X45" at 15425,14400 h40 r270; SYMB_DIM "SP  35X45OV" at 14930,14410 h40 r270; SYMB_DIM "SM  43X53OV" at 15000,14410 h40 r270; SYMB_DIM "PAD 35X45OV" at 15075,14410 h40 r270
C201: PIN_NUMBER "2" at 16034,13710 h40 r270; PIN_NUMBER "1" at 16034,13590 h40 r270; SYMB_DIM "0" at 16025,13475 h40 r270; SYMB_DIM "0" at 15900,13625 h40 r270; SYMB_DIM "C1206-40X70" at 16079,13750 h40 r270; SYMB_DIM "SP  40X70OV" at 15499,13760 h40 r270; SYMB_DIM "SM  48X78" at 15606,13710 h40 r270; SYMB_DIM "PAD 40X70OV" at 15649,13760 h40 r270; ASSEMBLY_BOTTOM "+" at 16035,13535 h40 r270; ASSEMBLY_BOTTOM "X" at 16035,13690 h40 r270; ASSEMBLY_BOTTOM "X" at 16035,13650 h40 r270; ASSEMBLY_BOTTOM "10uF" at 16035,13615 h40 r270; Bottom Overlay "+" at 16090,13545 h35 r270
C202: PIN_NUMBER "2" at 15384,13665 h40 r90; PIN_NUMBER "1" at 15384,13785 h40 r90; SYMB_DIM "0" at 15425,13900 h40 r90; SYMB_DIM "0" at 15550,13750 h40 r90; SYMB_DIM "C1206-40X70" at 15019,13625 h40 r90; SYMB_DIM "SP  40X70OV" at 15599,13615 h40 r90; SYMB_DIM "SM  48X78" at 15556,13665 h40 r90; SYMB_DIM "PAD 40X70OV" at 15449,13615 h40 r90; ASSEMBLY_BOTTOM "+" at 15415,13840 h40 r90; ASSEMBLY_BOTTOM "X" at 15415,13685 h40 r90; ASSEMBLY_BOTTOM "X" at 15415,13725 h40 r90; ASSEMBLY_BOTTOM "10uF" at 15415,13760 h40 r90; Bottom Overlay "+" at 15450,13835 h35 r90
C203: PIN_NUMBER "2" at 16459,13750 h40; PIN_NUMBER "1" at 16134,13800 h40; ASSEMBLY_TOP "X" at 16325,13705 h40; ASSEMBLY_TOP "X" at 16275,13705 h40; ASSEMBLY_TOP "100uF" at 16230,13705 h40; SYMB_DIM "0" at 16045,13755 h40; SYMB_DIM "0" at 16330,13555 h40; SYMB_DIM "C7343-84X118" at 16050,14175 h40; SYMB_DIM "SP  84X118REC" at 16050,13325 h40; SYMB_DIM "SM  92X126REC" at 16050,13400 h40; SYMB_DIM "PAD 84X118REC" at 16050,13475 h40
C204: PIN_NUMBER "2" at 15372,13850 h20; PIN_NUMBER "1" at 15412,13850 h20; ASSEMBLY_BOTTOM "USERPART#" at 15400,13700 h25; ASSEMBLY_BOTTOM "TOLERANCE" at 15400,13750 h25; ASSEMBLY_BOTTOM "0.1uF" at 15400,13850 h25; SYMBOL_PART_DIM "0" at 15492,13837 h25; SYMBOL_PART_DIM "0" at 15408,13766 h25; SYMBOL_PART_DIM "C402-35X32" at 15523,13712 h25; SYMBOL_PART_DIM "PAD 35X32 OV" at 15523,13662 h25
C205: PIN_NUMBER "2" at 15542,13280 h20 r90; PIN_NUMBER "1" at 15542,13320 h20 r90; ASSEMBLY_BOTTOM "USERPART#" at 15700,13300 h25 r90; ASSEMBLY_BOTTOM "TOLERANCE" at 15650,13300 h25 r90; ASSEMBLY_BOTTOM "0.1uF" at 15550,13300 h25 r90; SYMBOL_PART_DIM "0" at 15563,13392 h25 r90; SYMBOL_PART_DIM "0" at 15634,13308 h25 r90; SYMBOL_PART_DIM "C402-35X32" at 15688,13423 h25 r90; SYMBOL_PART_DIM "PAD 35X32 OV" at 15738,13423 h25 r90
C206: PIN_NUMBER "2" at 16062,13525 h20 r180; PIN_NUMBER "1" at 16022,13525 h20 r180; ASSEMBLY_BOTTOM "USERPART#" at 16050,13675 h25 r180; ASSEMBLY_BOTTOM "TOLERANCE" at 16050,13625 h25 r180; ASSEMBLY_BOTTOM "0.1uF" at 16050,13525 h25 r180; SYMBOL_PART_DIM "0" at 15958,13538 h25 r180; SYMBOL_PART_DIM "0" at 16042,13609 h25 r180; SYMBOL_PART_DIM "C402-35X32" at 15927,13663 h25 r180; SYMBOL_PART_DIM "PAD 35X32 OV" at 15927,13713 h25 r180
C207: PIN_NUMBER "2" at 15742,13870 h20 r270; PIN_NUMBER "1" at 15742,13830 h20 r270; ASSEMBLY_BOTTOM "USERPART#" at 15600,13850 h25 r270; ASSEMBLY_BOTTOM "TOLERANCE" at 15650,13850 h25 r270; ASSEMBLY_BOTTOM "0.1uF" at 15750,13850 h25 r270; SYMBOL_PART_DIM "0" at 15737,13758 h25 r270; SYMBOL_PART_DIM "0" at 15666,13842 h25 r270; SYMBOL_PART_DIM "C402-35X32" at 15612,13727 h25 r270; SYMBOL_PART_DIM "PAD 35X32 OV" at 15562,13727 h25 r270
C208: PIN_NUMBER "2" at 15867,13280 h20 r90; PIN_NUMBER "1" at 15867,13320 h20 r90; ASSEMBLY_BOTTOM "USERPART#" at 16025,13300 h25 r90; ASSEMBLY_BOTTOM "TOLERANCE" at 15975,13300 h25 r90; ASSEMBLY_BOTTOM "0.1uF" at 15875,13300 h25 r90; SYMBOL_PART_DIM "0" at 15888,13392 h25 r90; SYMBOL_PART_DIM "0" at 15959,13308 h25 r90; SYMBOL_PART_DIM "C402-35X32" at 16013,13423 h25 r90; SYMBOL_PART_DIM "PAD 35X32 OV" at 16063,13423 h25 r90
C209: PIN_NUMBER "2" at 15372,13600 h20; PIN_NUMBER "1" at 15412,13600 h20; ASSEMBLY_BOTTOM "USERPART#" at 15400,13450 h25; ASSEMBLY_BOTTOM "TOLERANCE" at 15400,13500 h25; ASSEMBLY_BOTTOM "0.1uF" at 15400,13600 h25; SYMBOL_PART_DIM "0" at 15492,13587 h25; SYMBOL_PART_DIM "0" at 15408,13516 h25; SYMBOL_PART_DIM "C402-35X32" at 15523,13462 h25; SYMBOL_PART_DIM "PAD 35X32 OV" at 15523,13412 h25
C210: PIN_NUMBER "2" at 16062,13800 h20 r180; PIN_NUMBER "1" at 16022,13800 h20 r180; ASSEMBLY_BOTTOM "USERPART#" at 16050,13950 h25 r180; ASSEMBLY_BOTTOM "TOLERANCE" at 16050,13900 h25 r180; ASSEMBLY_BOTTOM "0.1uF" at 16050,13800 h25 r180; SYMBOL_PART_DIM "0" at 15958,13813 h25 r180; SYMBOL_PART_DIM "0" at 16042,13884 h25 r180; SYMBOL_PART_DIM "C402-35X32" at 15927,13938 h25 r180; SYMBOL_PART_DIM "PAD 35X32 OV" at 15927,13988 h25 r180
C211: PIN_NUMBER "2" at 15724,13495 h40; PIN_NUMBER "1" at 15844,13495 h40; SYMB_DIM "0" at 15975,13470 h40; SYMB_DIM "0" at 15825,13345 h40; SYMB_DIM "C1206-40X70" at 15524,13700 h40; SYMB_DIM "SP  40X70OV" at 15514,13120 h40; SYMB_DIM "SM  48X78" at 15596,13195 h40; SYMB_DIM "PAD 40X70OV" at 15514,13270 h40; ASSEMBLY_BOTTOM "+" at 15915,13480 h40; ASSEMBLY_BOTTOM "X" at 15760,13480 h40; ASSEMBLY_BOTTOM "X" at 15800,13480 h40; ASSEMBLY_BOTTOM "10uF" at 15835,13480 h40; Bottom Overlay "+" at 15905,13535 h35
C212: PIN_NUMBER "2" at 15909,13960 h40 r270; PIN_NUMBER "1" at 15909,13840 h40 r270; SYMB_DIM "0" at 15900,13725 h40 r270; SYMB_DIM "0" at 15775,13875 h40 r270; SYMB_DIM "C1206-40X70" at 15954,14000 h40 r270; SYMB_DIM "SP  40X70OV" at 15374,14010 h40 r270; SYMB_DIM "SM  48X78" at 15481,13960 h40 r270; SYMB_DIM "PAD 40X70OV" at 15524,14010 h40 r270; ASSEMBLY_BOTTOM "+" at 15910,13785 h40 r270; ASSEMBLY_BOTTOM "X" at 15910,13940 h40 r270; ASSEMBLY_BOTTOM "X" at 15910,13900 h40 r270; ASSEMBLY_BOTTOM "10uF" at 15910,13865 h40 r270; Bottom Overlay "+" at 15935,13780 h35 r270
C213: PIN_NUMBER "2" at 15817,13870 h20 r270; PIN_NUMBER "1" at 15817,13830 h20 r270; ASSEMBLY_BOTTOM "USERPART#" at 15675,13850 h25 r270; ASSEMBLY_BOTTOM "TOLERANCE" at 15725,13850 h25 r270; ASSEMBLY_BOTTOM "0.1uF" at 15825,13850 h25 r270; SYMBOL_PART_DIM "0" at 15812,13758 h25 r270; SYMBOL_PART_DIM "0" at 15741,13842 h25 r270; SYMBOL_PART_DIM "C402-35X32" at 15687,13727 h25 r270; SYMBOL_PART_DIM "PAD 35X32 OV" at 15637,13727 h25 r270
C214: PIN_NUMBER "2" at 15784,14750 h40 r90; PIN_NUMBER "1" at 15734,14425 h40 r90; ASSEMBLY_TOP "X" at 15845,14600 h40 r90; ASSEMBLY_TOP "X" at 15845,14550 h40 r90; ASSEMBLY_TOP "47uF" at 15845,14505 h40 r90; SYMB_DIM "0" at 15795,14320 h40 r90; SYMB_DIM "0" at 15995,14605 h40 r90; SYMB_DIM "C7343-84X118" at 15375,14325 h40 r90; SYMB_DIM "SP  84X118REC" at 16225,14325 h40 r90; SYMB_DIM "SM  92X126REC" at 16150,14325 h40 r90; SYMB_DIM "PAD 84X118REC" at 16075,14325 h40 r90
C215: PIN_NUMBER "2" at 15692,14595 h20 r270; PIN_NUMBER "1" at 15692,14555 h20 r270; ASSEMBLY_BOTTOM "USERPART#" at 15550,14575 h25 r270; ASSEMBLY_BOTTOM "TOLERANCE" at 15600,14575 h25 r270; ASSEMBLY_BOTTOM "0.01uF" at 15700,14575 h25 r270; SYMBOL_PART_DIM "0" at 15687,14483 h25 r270; SYMBOL_PART_DIM "0" at 15616,14567 h25 r270; SYMBOL_PART_DIM "C402-35X32" at 15562,14452 h25 r270; SYMBOL_PART_DIM "PAD 35X32 OV" at 15512,14452 h25 r270
C216: PIN_NUMBER "2" at 15742,14595 h20 r270; PIN_NUMBER "1" at 15742,14555 h20 r270; ASSEMBLY_BOTTOM "USERPART#" at 15600,14575 h25 r270; ASSEMBLY_BOTTOM "TOLERANCE" at 15650,14575 h25 r270; ASSEMBLY_BOTTOM "0.1uF" at 15750,14575 h25 r270; SYMBOL_PART_DIM "0" at 15737,14483 h25 r270; SYMBOL_PART_DIM "0" at 15666,14567 h25 r270; SYMBOL_PART_DIM "C402-35X32" at 15612,14452 h25 r270; SYMBOL_PART_DIM "PAD 35X32 OV" at 15562,14452 h25 r270
C217: PIN_NUMBER "2" at 15609,13915 h40 r90; PIN_NUMBER "1" at 15609,14035 h40 r90; SYMB_DIM "0" at 15650,14150 h40 r90; SYMB_DIM "0" at 15775,14000 h40 r90; SYMB_DIM "C1206-40X70" at 15244,13875 h40 r90; SYMB_DIM "SP  40X70OV" at 15824,13865 h40 r90; SYMB_DIM "SM  48X78" at 15781,13915 h40 r90; SYMB_DIM "PAD 40X70OV" at 15674,13865 h40 r90; ASSEMBLY_BOTTOM "+" at 15640,14090 h40 r90; ASSEMBLY_BOTTOM "X" at 15640,13935 h40 r90; ASSEMBLY_BOTTOM "X" at 15640,13975 h40 r90; ASSEMBLY_BOTTOM "10uF / 16V" at 15640,14010 h40 r90; Bottom Overlay "+" at 15630,14100 h35 r90
C218: PIN_NUMBER "2" at 15492,14005 h20 r90; PIN_NUMBER "1" at 15492,14045 h20 r90; ASSEMBLY_BOTTOM "USERPART#" at 15650,14025 h25 r90; ASSEMBLY_BOTTOM "TOLERANCE" at 15600,14025 h25 r90; ASSEMBLY_BOTTOM "0.001uF" at 15500,14025 h25 r90; SYMBOL_PART_DIM "0" at 15513,14117 h25 r90; SYMBOL_PART_DIM "0" at 15584,14033 h25 r90; SYMBOL_PART_DIM "C402-35X32" at 15638,14148 h25 r90; SYMBOL_PART_DIM "PAD 35X32 OV" at 15688,14148 h25 r90
C219: PIN_NUMBER "2" at 15542,14005 h20 r90; PIN_NUMBER "1" at 15542,14045 h20 r90; ASSEMBLY_BOTTOM "USERPART#" at 15700,14025 h25 r90; ASSEMBLY_BOTTOM "TOLERANCE" at 15650,14025 h25 r90; ASSEMBLY_BOTTOM "0.1uF" at 15550,14025 h25 r90; SYMBOL_PART_DIM "0" at 15563,14117 h25 r90; SYMBOL_PART_DIM "0" at 15634,14033 h25 r90; SYMBOL_PART_DIM "C402-35X32" at 15688,14148 h25 r90; SYMBOL_PART_DIM "PAD 35X32 OV" at 15738,14148 h25 r90
C220: PIN_NUMBER "2" at 15794,14350 h40; PIN_NUMBER "1" at 15674,14350 h40; Top Overlay "+" at 15645,14295 h35; ASSEMBLY_TOP "+" at 15635,14335 h40; ASSEMBLY_TOP "X" at 15790,14335 h40; ASSEMBLY_TOP "X" at 15750,14335 h40; ASSEMBLY_TOP "10uF" at 15715,14335 h40; SYMB_DIM "0" at 15575,14325 h40; SYMB_DIM "0" at 15725,14200 h40; SYMB_DIM "C1206-40X70" at 15674,14555 h40; SYMB_DIM "SP  40X70OV" at 15684,13975 h40; SYMB_DIM "SM  48X78" at 15666,14050 h40; SYMB_DIM "PAD 40X70OV" at 15684,14125 h40
C221: PIN_NUMBER "2" at 16109,14360 h40 r90; PIN_NUMBER "1" at 16109,14240 h40 r90; Top Overlay "+" at 16130,14175 h35 r90; ASSEMBLY_TOP "+" at 16140,14185 h40 r90; ASSEMBLY_TOP "X" at 16140,14340 h40 r90; ASSEMBLY_TOP "X" at 16140,14300 h40 r90; ASSEMBLY_TOP "10uF" at 16140,14265 h40 r90; SYMB_DIM "0" at 16150,14125 h40 r90; SYMB_DIM "0" at 16275,14275 h40 r90; SYMB_DIM "C1206-40X70" at 15744,14400 h40 r90; SYMB_DIM "SP  40X70OV" at 16324,14410 h40 r90; SYMB_DIM "SM  48X78" at 16281,14360 h40 r90; SYMB_DIM "PAD 40X70OV" at 16174,14410 h40 r90
C222: PIN_NUMBER "2" at 15897,14170 h20 r90; PIN_NUMBER "1" at 15897,14210 h20 r90; ASSEMBLY_BOTTOM "USERPART#" at 16055,14190 h25 r90; ASSEMBLY_BOTTOM "TOLERANCE" at 16005,14190 h25 r90; ASSEMBLY_BOTTOM "0.1uF" at 15905,14190 h25 r90; SYMBOL_PART_DIM "0" at 15918,14282 h25 r90; SYMBOL_PART_DIM "0" at 15989,14198 h25 r90; SYMBOL_PART_DIM "C402-35X32" at 16043,14313 h25 r90; SYMBOL_PART_DIM "PAD 35X32 OV" at 16093,14313 h25 r90
C223: PIN_NUMBER "2" at 16037,14075 h20 r90; PIN_NUMBER "1" at 16037,14115 h20 r90; ASSEMBLY_BOTTOM "USERPART#" at 16195,14095 h25 r90; ASSEMBLY_BOTTOM "TOLERANCE" at 16145,14095 h25 r90; ASSEMBLY_BOTTOM "0.1uF" at 16045,14095 h25 r90; SYMBOL_PART_DIM "0" at 16058,14187 h25 r90; SYMBOL_PART_DIM "0" at 16129,14103 h25 r90; SYMBOL_PART_DIM "C402-35X32" at 16183,14218 h25 r90; SYMBOL_PART_DIM "PAD 35X32 OV" at 16233,14218 h25 r90
C224: PIN_NUMBER "2" at 15617,14170 h20 r90; PIN_NUMBER "1" at 15617,14210 h20 r90; ASSEMBLY_BOTTOM "USERPART#" at 15775,14190 h25 r90; ASSEMBLY_BOTTOM "TOLERANCE" at 15725,14190 h25 r90; ASSEMBLY_BOTTOM "0.1uF" at 15625,14190 h25 r90; SYMBOL_PART_DIM "0" at 15638,14282 h25 r90; SYMBOL_PART_DIM "0" at 15709,14198 h25 r90; SYMBOL_PART_DIM "C402-35X32" at 15763,14313 h25 r90; SYMBOL_PART_DIM "PAD 35X32 OV" at 15813,14313 h25 r90
C225: PIN_NUMBER "2" at 16467,14480 h20 r270; PIN_NUMBER "1" at 16467,14520 h20 r270; ASSEMBLY_TOP "USERPART#" at 16325,14500 h25 r270; ASSEMBLY_TOP "TOLERANCE" at 16375,14500 h25 r270; ASSEMBLY_TOP "0.1uF" at 16475,14500 h25 r270; SYMBOL_PART_DIM "0" at 16462,14592 h25 r270; SYMBOL_PART_DIM "0" at 16391,14508 h25 r270; SYMBOL_PART_DIM "C402-35X32" at 16337,14623 h25 r270; SYMBOL_PART_DIM "PAD 35X32 OV" at 16287,14623 h25 r270
C226: PIN_NUMBER "2" at 15061,14495 h35 r180; PIN_NUMBER "1" at 15061,14655 h35 r180; Top Overlay "1000pF 2kV" at 14963,14587 h25 r180; Top Overlay "X" at 14944,14587 h25 r180; Top Overlay "X" at 14928,14585 h25 r180
C227: PIN_NUMBER "2" at 15419,14675 h40 r180; PIN_NUMBER "1" at 15299,14675 h40 r180; SYMB_DIM "0" at 15200,14700 h40 r180; SYMB_DIM "0" at 15350,14825 h40 r180; SYMB_DIM "C1206-40X70" at 15299,14470 h40 r180; SYMB_DIM "SP  40X70OV" at 15309,15050 h40 r180; SYMB_DIM "SM  48X78" at 15291,14975 h40 r180; SYMB_DIM "PAD 40X70OV" at 15309,14900 h40 r180; ASSEMBLY_BOTTOM "+" at 15260,14690 h40 r180; ASSEMBLY_BOTTOM "X" at 15415,14690 h40 r180; ASSEMBLY_BOTTOM "X" at 15375,14690 h40 r180; ASSEMBLY_BOTTOM "10uF" at 15340,14690 h40 r180; Bottom Overlay "+" at 15250,14680 h35 r180